# Altium PCB Beagle93.PCBDOC (part 2 of 7) (continued)
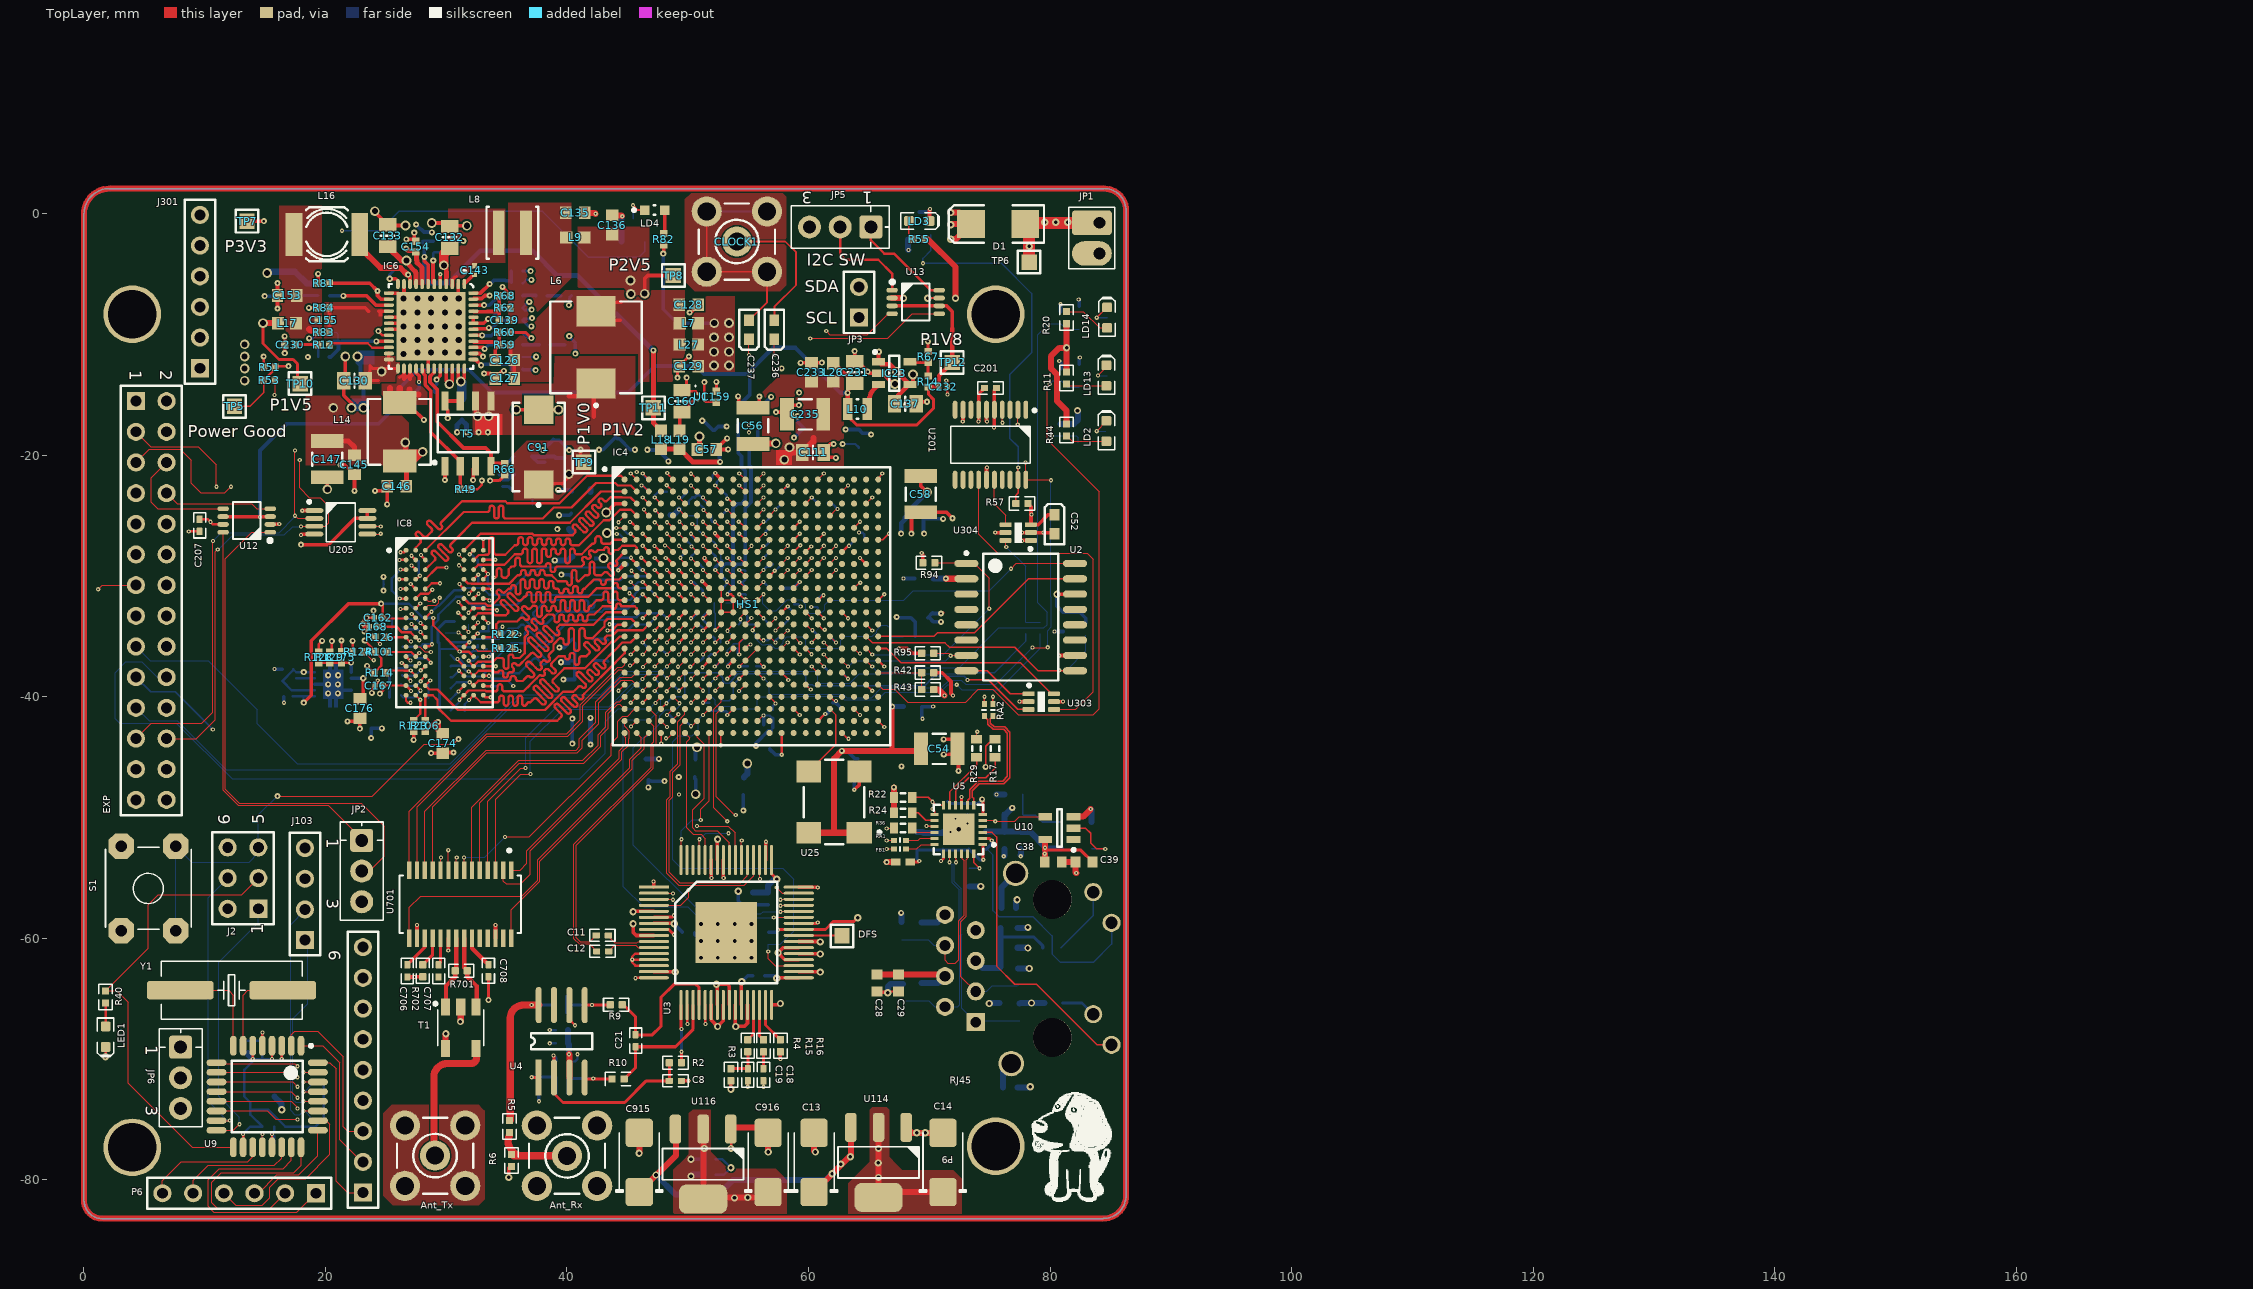
[diagram p0: TopLayer view]
## Footprints (in the part's own frame and the unit in brackets; to place one, negate y for a bottom-side part, rotate by r counter-clockwise, add the part's x,y. Pads: shape width x height; smd on the part's side, far side on the other; paste and mask are expansions set on the pad) (continued)
  oval 0.95x0.396 smd paste-0.051 mask+0.05: 1(-1.95,0.975) 2(-1.95,0.325) 3(-1.95,-0.325) 4(-1.95,-0.975) 5(1.95,-0.975) 6(1.95,-0.325) 7(1.95,0.325) 8(1.95,0.975)
  silkscreen extent -2.08,-1.52 1.14,1.8, body extent -2.05,-1.55 2.05,1.55, height 1.09
TSSOP65P640X120-20N [mm] "TSSOP, 20-Leads, Body 6.6x4.5mm (max), Pitch 0.65mm, IPC Medium Density"
  round 0.508 on Mech14 mask+0.127: 0(0,0)
  oval 1.5x0.4 smd paste-1 mask+0.127: 1(-2.9,2.925) 2(-2.9,2.275) 3(-2.9,1.625) 4(-2.9,0.975) 5(-2.9,0.325) 6(-2.9,-0.325) 7(-2.9,-0.975) 8(-2.9,-1.625) 9(-2.9,-2.275) 10(-2.9,-2.925) 11(2.9,-2.925) 12(2.9,-2.275) 13(2.9,-1.625) 14(2.9,-0.975) 15(2.9,-0.325) 16(2.9,0.325) 17(2.9,0.975) 18(2.9,1.625) 19(2.9,2.275) 20(2.9,2.925)
  silkscreen extent -2.97,-3.3 1.55,3.78, body extent -3.2,-3.25 3.2,3.25, height 1.2
TSSOP-28 [mil]
  rect 58x14 smd mask+2.95: 1(-111,166.34) 2(-111,140.75) 3(-111,115.16) 4(-111,89.57) 5(-111,63.98) 6(-111,38.39) 7(-111,12.8) 8(-111,-12.8) 9(-111,-38.39) 10(-111,-63.98) 11(-111,-89.57) 12(-111,-115.16) 13(-111,-140.75) 14(-111,-166.34) 15(111,-166.34) 16(111,-140.75) 17(111,-115.16) 18(111,-89.57) 19(111,-63.98) 20(111,-38.39) 21(111,-12.8) 22(111,12.8) 23(111,38.39) 24(111,63.98) 25(111,89.57) 26(111,115.16) 27(111,140.75) 28(111,166.34)
  silkscreen extent -180,-198 94,198, body extent -126,-193 126,193, height 47
YZR0004ABBA [mm] "Micro SMD, 4-Leads, Body 1.45x0.96mm, Pitch 0.5mm, NSC Recommended"
  round 0.265 smd paste-0.132 mask+0.05: A1(-0.25,0.25) A2(0.25,0.25) B1(-0.25,-0.25) B2(0.25,-0.25)
  silkscreen extent -0.5,0.84 -0.4,0.94, body extent -0.48,-0.72 0.48,0.72, height 0.68

## Part data
Ant_Rx Ant_Tx CLOCK1: "SMB Straight Connector"
C1 C2 C3 C4 C5 C6 C7 C8 C11 C12 C15 C16 C17 C18 C19 C20 C21 C706 C707 C708: library part Cap, "Capacitor"
C9 C10 C23 C24 C25 C26 C27 C28 C29 C30 C31 C35 C37 C38 C39: "Capacitor (Semiconductor SIM Model)"
C13 C14 C915 C916: library part CAPT_10u_6032_16V, "Capacitor SMD Tantalum 10uF 20% 16V EIA 6032-28"
C22 C36: "Polarized Capacitor (Surface Mount)"
C32 C33 C49 C53 C201 C207: library part CAPC_1u_0402_X5R_6V3_10%, "Capacitor SMD Cer 1uF 10% 16V X5R 0402"
C34: "Capacitor SMD Tantalum 4.7uF 10% 16V 3216-18"
C50 C57 C60 C101 C127 C128 C129 C135 C136 C141 C145 C146 C148 C149 C153 C173 C174 C176 C233 C240: library part CC0603_22UF_6.3V_20%_X5R, "Non-polarised capacitor"
C51 C52 C112 C113 C114 C115 C116 C120 C122 C123 C124 C125 C134 C140 C143 C151 C161 C162 C163 C164 C165 C166 C167 C168 C169 C170 C171 C177 C229 C232 C236 C237: library part CC0201_100NF_6.3V_10%_X5R, "Non-polarised capacitor"
C54 C147 C235: library part CC1210_47UF_10V_10%_X7R, "Non-polarised capacitor"
C55 C61 C62 C63 C64 C65 C68 C69 C70 C73 C74 C75 C78 C79 C80 C83 C84 C85 C88 C89 C90 C95 C97 C98 C99 C100 C102 C103 C104 C105 C106 C107 C108 C117 C118 C119 C121: library part CC0201_470NF_4V_20%_X5R, "Non-polarised capacitor"
C56 C58: library part CC1210_100UF_6.3V_20%_X5R, "Non-polarised capacitor"
C59 C66 C67 C71 C72 C76 C77 C81 C82 C86 C87 C92 C93 C94 C96 C109 C110 C111 C160: library part CC0805_4.7UF_10V_10%_X5R, "Non-polarised capacitor"
C91: library part CTE7343-19_330UF_2.5V_20%_LESR0025_KEMET_T520, "Polarised capacitor"
C126: library part CC0603_56PF_50V_5%_NP0, "Non-polarised capacitor"
C130 C131 C132 C133 C137 C231: library part CC0805_10UF_25V_10%_X5R, "Non-polarised capacitor"
C138 C142: library part CC0402_1NF_50V_10%_X7R, "Non-polarised capacitor"
C139 C155: library part CC0402_68PF_50V_5%_C0G, "Non-polarised capacitor"
C150: library part CC0402_150PF_50V_5%_C0G, "Non-polarised capacitor"
C152: library part CC0603_1.2NF_50V_10%_X7R, "Non-polarised capacitor"
C154 C156 C157 C158 C159 C172: library part CC0402_1UF_16V_10%_X5R, "Non-polarised capacitor"
C175: library part CC0402_10NF_16V_10%_X7R, "Non-polarised capacitor"
C230: library part CC0402_2.2NF_50V_10%_X7R, "Non-polarised capacitor"
D1: "Zener Diode"
DFS TP5 TP6 TP7 TP8 TP9 TP10 TP11 TP12: library part SMD_PAD_1.27X1.27MM, "Test Point"
EXP: "Header, 14-Pin, Dual row"
HS1: "Heat Sink Without Pad"
IC4: library part CMP-0364-00026-3, "Artix-7 FPGA, 285 User I/Os, 4 GTP, 484-Ball BGA, Speed Grade 2, Commercial Grade, Pb-Free"
IC6: "5-Channel Integrated Power Solution with Quad buck Regulators and 200mA LDO Regulator"
IC8: "32 Meg x 16 x 8 Banks DDR3L SDRAM"
IC9: "Sink/Source DDR Termination Regulator"
IC23: "1.5A High Efficiency Step-Down Converter, Adjustable Output Voltage"
J2: "Header, 3-Pin, Dual row"
J103: library part "Header 4", "Header, 4-Pin"
J301: library part Header6P, "Header, 6-pin, FPGA_JTAG"
JP1: library part Header2P, "12V  G"
JP2 JP5 JP6: library part CONN_HEADER_1x3P_0.100in, "Pin Header, THT, Single-row, 2.54mm pitch"
JP3: library part "Header 2", "Header, 2-Pin"
L4 L5 L7 L9 L11 L12 L13 L15 L17 L18 L19 L26 L27 L28: library part IND0603_MURATA_BLM18SG121TN1D, "Inductor"
L6: library part CMP-2000-06180-1, "High Power Density, High Efficiency, Shielded Inductor, 4.7 uH, -40 to 125 degC, RoHS, Tape and Reel"
L8: library part IND_6.8UH_20%_COILCRAFT_XAL4030, "Inductor With Core"
L10: library part IND_2.2UH_20%_WURTH_WE-PMCI_74479276222C, "Inductor"
L14: library part IHLP2020BZER3R3M11, "Inductor With Core"
L16: library part IND_3.3UH_20%_WURTH_WE-PD3_74451033, "Inductor With Core"
LD2 LD3 LD4 LD13 LD14: library part KINGBRIGHT_KPTR-3216CGCK, "LED Green 1A 2C"
LED1: library part LED_SMD_Red_0805_6mcd, "LED 0805 SMD Red 6mcd 621nm"
P6: library part "Header 6", "Header, 6-Pin"
P9: library part "Header 9", "Header, 9-Pin"
R1 R2 R3 R4 R5 R6 R7 R8 R9 R10 R13 R15 R16 R701 R702: library part Res1, "Resistor"
R11 R20 R44 R55 R82: library part R0402_1k_1%_0.0625W_100PPM, "Resistor - 1%"
R12: library part R0402_5K6_1%_0.0625W_100PPM, "Resistor - 1%"
R14 R68 R83: library part R0402_24K_1%_0.0625W_100PPM, "Resistor - 1%"
R17 R18 R21 R22 R24 R25 R26 R27 R28 R29 R32 R34 R35 R36 R37: "Resistor"
R19 R23 R45 R94 R95 R96: library part R0402_2K2_1%_0.0625W_100PPM, "Resistor - 1%"
R30 R31: library part RES_2K2_0805_1%, "Resistor SMD chip 2.2k Ohm 0.125W 1% 0805"
R33: library part RES_10K_0402_1%, "Resistor SMD chip 10k Ohm 0.063W 1% 0402"
R40: library part RES_330R_0402_5%, "Resistor SMD chip 330 Ohm 0.063W 5% 0402"
R42 R43 R52: library part R0402_1K_1%_0.0625W_100PPM, "Resistor - 1%"
R46 R47 R48 R53 R54 R56: library part R0402_0R_JUMPER, "Resistor"
R49 R66: library part R0402_22K_1%_0.0625W_100PPM, "Resistor - 1%"
R51 R72 R127 R128 R129: library part R0402_10K_1%_0.0625W_100PPM, "Resistor - 1%"
R57: library part R0402_300R_1%_0.0625W_100PPM, "Resistor - 1%"
R59 R65 R75 R78 R79: library part R0402_7K5_1%_0.0625W_100PPM, "Resistor - 1%"
R60: library part R0402_2K4_1%_0.0625W_100PPM, "Resistor - 1%"
R61: library part R0402_4K7_1%_0.0625W_100PPM, "Resistor - 1%"
R62 R92: library part R0402_51K_1%_0.0625W_100PPM, "Resistor - 1%"
R63 R70 R81 R122 R123 R126: library part R0402_5K1_1%_0.0625W_100PPM, "Resistor - 1%"
R64 R71: library part R0402_910R_1%_0.0625W_100PPM, "Resistor - 1%"
R67: library part R0402_12K_1%_0.0625W_100PPM, "Resistor - 1%"
R69 R124 R125: library part R0402_240R_1%_0.0625W_100PPM, "Resistor - 1%"
R77: library part R0402_30K_1%_0.0625W_100PPM, "Resistor - 1%"
R84: library part R0402_27K_1%_0.0625W_100PPM, "Resistor - 1%"
R85: library part "43k2 1% 0402", "Resistor - 1%"
R93: library part R0402_36K_1%_0.0625W_100PPM, "Resistor - 1%"
R99 R100 R101 R102 R103 R104 R105 R106 R107 R108 R109 R110 R111 R112 R113 R114 R115 R116 R117 R118 R119 R120 R121: library part R0402_51R_1%_0.0625W_100PPM, "Resistor - 1%"
R191: library part R0402_100R_1%_0.0625W_100PPM, "Resistor - 1%"
RA1 RA2: library part "EXB24V - Res Array x2"
RJ45: library part "Pulse RJ45_ICM_LED_Jack"
S1: "Switch, tact, 5.0mm stem"
T1: library part Balun
T2 T3 T4 T6 T12: "N-CHANNEL MOSFET WITH DIODE"
T5: "20V DUAL N-Channel 2.5V Specified PowerTrench MOSFET"
U1: library part CMP-0062-00810-3, "300mA Linear Voltage Regulator for Digital Applications, 4-pin Micro SMD, Pb-Free"
U2: library part CMP-1329-00021-1, "MirrorBit Flash Non-Volatile Memory CMOS 3.0 Volt Core with Versatile I/O, Serial Peripheral Interface with Multi-I/O, 128 Mbit, 133 MHz, -40 to 85 degC, 16-Pin SO (SO3016), RoHS, Tube"
U3: library part ADS5520, "ADC 12BIT 125MSPS"
U4: "Differential Amplifier"
U5: library part "LAN8720 QFN"
U9: library part ATmega328-AUR, "8-bit AVR Microcontroller, 32KB Flash, 1KB EEPROM, 2KB SRAM, 32-pin TQFP, Industrial Grade (-40°C to 85°C)"
U25: library part CWX815-100.0M, "CWX815-125.0M"
U114 U116: library part LM1117, "Power"
U304: library part N74AUP1T157
U701: "Single 14-Bit TxDAC, 125 Msps, -40 to +85 degC, RW-28, Tube"
Y1: library part Crystal_6MHz_HC49/US, "Resonator Ceramic 8.00 MHz 30ppm"

## Free pads (board coordinates)
  round 0 on Mech16 paste+0 mask+0: 1(32.468,-63.336)
  round 4.775 hole 4: 5(4,-77.3) 5(4,-8.3) 5(75.5,-77.2) 5(75.5,-8.3)

## Via types
v1: diameter 0.35, hole 0.15, TopLayer to BottomLayer, tented both sides, 544 vias
v2: diameter 0.5, hole 0.2, TopLayer to BottomLayer, tented both sides, 183 vias
v3: diameter 0.6, hole 0.3, TopLayer to BottomLayer, tented both sides, 65 vias
v4: diameter 0.8, hole 0.5, TopLayer to BottomLayer, tented both sides, 53 vias
v5: diameter 0.8, hole 0.5, TopLayer to BottomLayer, 25 vias
v6: diameter 0.61, hole 0.305, TopLayer to BottomLayer, 12 vias
v7: diameter 0.508, hole 0.254, TopLayer to BottomLayer, 1 vias
v8: diameter 0.635, hole 0.381, TopLayer to BottomLayer, 1 vias

## Nets (pads, with @x,y where several pads share a name; then routed paths per layer and width w, separated by ;. In a path a pad name is that pad's centre, name@x,y a point inside that pad or via, vN(x,y) a via of type N, cw(c..) or ccw(c..) an arc to the next point about the centre after c; other vN are vias at no path point)
5V: C7.2 C13.1 C17.2 C130.2 C131.2 C132.2 C133.2 D1.1 EXP.2 FR1.1 IC6.4 IC6.9 IC6.23 IC6.24 IC6.25 IC6.35 IC6.36 JP1.1 TP6.1 U4.3 U114.3 | length 45.6
  TopLayer w0.254: C130.2@23.3,-13.8 24.4,-13.8 ; 23.65,-13.05 23.67,-13.03 23.67,-12.566 23.906,-12.802 25.25,-12.802 ; IC6.24@25.25,-12.052 25.25,-12.802 ; IC6.25@26,-12.802 25.25,-12.802
  TopLayer w0.3: IC6.24@25.25,-12.052 IC6.23@25.25,-11.552 ; IC6.35@31,-12.802 31,-13.66 v4(31.214,-13.874) 31.5,-13.588 IC6.36@31.5,-12.802
  TopLayer w0.4: v4(26.713,-3.846) 26.713,-4.039 27.45,-4.776 27.45,-4.85 27.5,-4.9 IC6.9@27.5,-5.802 ; IC6.4@30,-5.802 30,-5.238 30.025,-5.213 30.025,-4.779 30,-4.754 v4@30,-4.369 ; v4(31.214,-13.874) v4@31.214,-13.766
  TopLayer w0.5: C133.2@25.15,-2.7 26.296,-3.846 v4(26.713,-3.846) ; v1(40.172,-69.585) 40.196,-69.609 U4.3@40.196,-71.512 ; C13.1@60.465,-80.998 63.509,-77.954 U114.3@63.509,-75.648
  TopLayer w0.8: v4(29.8,-4.25) 29.8,-3.31 C132.2@30.02,-3.09
  TopLayer w1: TP6.1@78.272,-3.985 v3(78.272,-2.685) 78.272,-0.953 78.049,-0.73 80.472,-0.73 JP1.1@83.465,-0.73
  BottomLayer w0.5: C17.2@40.072,-67.585 C7.2@40.072,-68.685 40.172,-68.785 v1(40.172,-69.585) ; FR1.1@52.529,-81.215 53.759,-79.985 61.472,-79.985 v3(61.972,-79.485)
  BottomLayer w0.8: C131.2@31.29,-15.26 v4@31.29,-13.95
  other v3: 62.672,-78.685 63.472,-78.085 79.572,-0.685 80.472,-0.685 81.472,-0.685
  other v4: 24.65,-13.05
A0: P6.1 U9.23 | length 20.6
  TopLayer w0.1: U9.23@17.172,-77.285 17.172,-78.385 16.483,-79.074 11.183,-79.074 10.272,-79.985 10.272,-82.185 10.761,-82.674 17.626,-82.674 P6.1@19.2,-81.1
A1: P6.2 U9.24 | length 18
  TopLayer w0.1: P6.2@16.66,-81.1 15.375,-82.385 11.072,-82.385 10.572,-81.885 10.572,-80.185 11.372,-79.385 17.372,-79.385 17.972,-78.785 U9.24@17.972,-77.285
A2: P6.3 U9.25 | length 8.6
  TopLayer w0.1: P6.3@14.12,-81.1 14.457,-81.1 15.972,-79.585 17.772,-79.585 19.372,-77.985 U9.25@19.372,-75.885
A3: P6.4 U9.26 | length 15.1
  TopLayer w0.1: P6.4@11.58,-81.1 12.58,-82.1 14.757,-82.1 15.372,-81.485 15.372,-80.585 16.072,-79.885 18.372,-79.885 20.372,-77.885 20.372,-75.385 20.072,-75.085 U9.26@19.372,-75.085
A4: J103.2 R31.1 U9.27 | length 20.6
  TopLayer w0.1: v1(18.172,-74.285) U9.27@19.372,-74.285
  BottomLayer w0.1: J103.2@18.301,-57.593 18.301,-57.656 17.108,-58.849 17.108,-74.221 17.472,-74.585 17.872,-74.585 v1(18.172,-74.285) 18.272,-74.285 R31.1@18.872,-74.885
A5: J103.1 R30.1 U9.28 | length 16.9
  TopLayer w0.1: v1(18.172,-73.485) U9.28@19.372,-73.485
  BottomLayer w0.1: J103.1@18.301,-60.133 18.547,-60.133 18.547,-65.41 17.297,-66.66 17.297,-73.34 17.517,-73.56 18.097,-73.56 v1(18.172,-73.485) R30.1@18.872,-73.485
ADC3.3VA: C3.2 C4.2 C5.2 C6.2 C916.1 R3.1 U3.5 U3.7 U3.9 U3.15 U3.22 U3.24 U3.26 U3.28 U3.33 U3.34 U3.37 U3.39 U116.2 U116.4 | length 41.8
  TopLayer w0.3: v3(45.472,-57.785) 45.505,-57.752 U3.5@47.195,-57.752 ; v3@45.505,-58.752 v3(45.472,-58.785) 45.472,-59.485 45.739,-59.752 U3.9@47.195,-59.752 ; U3.15@47.195,-62.752 48.939,-62.752 v3(48.972,-62.785) ; U3.7@47.195,-58.752 48.839,-58.752 v3(48.872,-58.785) ; U3.22@51.945,-65.502 51.945,-66.758 v3(52.472,-67.285) 52.945,-66.812 U3.24@52.945,-65.502 ; v3(53.572,-72.485) R3.1@53.572,-71.785 ; U3.26@53.945,-65.502 53.945,-67.258 54.699,-67.258 54.945,-67.012 U3.28@54.945,-65.502 ; v3(57.372,-63.285) 57.405,-63.252 U3.33@59.195,-63.252 ; U3.34@59.195,-62.752 60.939,-62.752 v3(60.972,-62.785) ; U3.37@59.195,-61.252 60.939,-61.252 v3(60.972,-61.285) ; U3.39@59.195,-60.252 60.939,-60.252 v3(60.972,-60.285)
  TopLayer w0.5: U116.2@51.321,-75.648 51.321,-81.448 v3(54.972,-81.448) 56.205,-81.448 C916.1@56.655,-80.998
  BottomLayer w0.3: v3(48.872,-58.785) 49.551,-59.464 C5.2@49.551,-59.498 ; v3(50.272,-78.285) 51.312,-78.285 C4.2@51.321,-78.294 ; C6.2@56.372,-63.085 57.172,-63.085 v3(57.372,-63.285)
  BottomLayer w0.5: v3(50.272,-79.685) 50.393,-79.564 51.321,-79.564 C4.2@51.321,-78.294 51.321,-77.436 v3(51.372,-77.385)
  other v3: 53.872,-81.485 53.972,-67.285
ADC_3.3D: C1.2 C2.2 C14.1 R1.2 U3.41 U3.49 U3.58 U114.2 U114.4 | length 25.5
  TopLayer w0.095: v1(57.472,-59.285) v1@57.505,-59.252
  TopLayer w0.254: U3.58@52.445,-53.502 52.445,-51.812 v3(52.472,-51.785) ; U3.49@56.945,-53.502 56.945,-54.658 v3(57.372,-55.085) ; v1@57.505,-59.252 U3.41@59.195,-59.252 61.405,-59.252 62.072,-58.585 63.772,-58.585 v3(64.072,-58.285)
  TopLayer w0.5: U114.2@65.799,-75.648 v3(65.799,-77.385) v3(65.799,-79.785) U114.4@65.799,-81.448 66.249,-80.998 C14.1@71.133,-80.998
  BottomLayer w0.254: R1.2@56.672,-59.485 57.272,-59.485 v1(57.472,-59.285)
  BottomLayer w0.5: C2.2@55.385,-56.204 C1.2@56.655,-56.204 56.655,-55.602 57.172,-55.085 v3(57.372,-55.085)
  other v3: 65.772,-78.585
ADC_3V3A: U701.24
ADC_3V3D: U701.27
ADC_CLK_N: C12.2 U3.11 | length 4
  TopLayer w0.1: C12.2@43.451,-61.062 43.961,-60.552 45.695,-60.552 45.895,-60.752 U3.11@47.195,-60.752
ADC_CLK_P: C11.1 U3.10 | length 4.1
  TopLayer w0.1: C11.1@43.426,-59.741 43.426,-59.822 43.967,-60.363 45.784,-60.363 45.895,-60.252 U3.10@47.195,-60.252
ADC_D0: IC4.W5 U3.44 | length 31
  TopLayer w0.095: IC4.W5@48.772,-39.985 48.799,-39.985 v1(49.327,-40.513) ; v1(57.672,-57.785) 57.638,-57.785 57.605,-57.752 U3.44@59.195,-57.752
  BottomLayer w0.095: v1(49.327,-40.513) 49.327,-40.742 48.997,-41.072 48.158,-41.072 47.673,-41.558 47.673,-42.228 46.65,-43.25 46.447,-43.25 45.488,-44.209 45.488,-52.261 51.196,-57.969 56.056,-57.969 56.24,-57.785 v1(57.672,-57.785)
ADC_D1: IC4.U6 U3.45 | length 32
  TopLayer w0.095: v1(49.272,-38.485) IC4.U6@49.772,-37.985 ; v1(57.672,-57.285) 57.705,-57.252 U3.45@59.195,-57.252
  SignalLayer1 w0.095: v1(49.272,-38.485) 48.59,-39.167 48.59,-39.276 48.645,-39.331 48.645,-39.665 48.59,-39.719 48.59,-40.342 48.607,-40.359 48.607,-40.667 48.59,-40.684 48.59,-41.276 48.645,-41.331 48.645,-41.639 48.59,-41.694 48.59,-42.276 48.645,-42.331 48.645,-42.639 48.59,-42.694 48.59,-55.103 50.072,-56.585 56.472,-56.585 56.772,-56.285 58.472,-56.285 58.772,-56.585 58.772,-57.085 58.572,-57.285 v1(57.672,-57.285)
ADC_D2: IC4.V5 U3.46 | length 28.9
  TopLayer w0.095: v1(48.26,-39.522) 48.26,-39.497 IC4.V5@48.772,-38.985 ; v1(57.672,-56.785) 57.705,-56.752 U3.46@59.195,-56.752
  SignalLayer1 w0.095: v1(48.26,-39.522) 48.235,-39.522 47.772,-39.985 47.772,-43.285 47.163,-43.894 47.163,-45.323 47.172,-45.332 47.172,-45.585 47.472,-45.885 47.472,-54.385 49.872,-56.785 v1(57.672,-56.785)
ADC_D3: IC4.R6 U3.47 | length 29.1
  TopLayer w0.095: v1(49.272,-36.485) IC4.R6@49.772,-35.985 ; v1(57.372,-55.785) 57.839,-56.252 U3.47@59.195,-56.252
  SignalLayer1 w0.095: v1(49.272,-36.485) 49.772,-36.985 50.472,-36.985 50.859,-37.372 50.853,-37.378 50.853,-42.391 49.606,-43.637 49.606,-44.755 51.872,-47.021 51.872,-54.085 52.072,-54.285 55.772,-54.285 57.272,-55.785 v1(57.372,-55.785)
ADC_D4: IC4.T6 U3.51 | length 27.1
  TopLayer w0.095: v1(49.197,-37.496) 49.261,-37.496 IC4.T6@49.772,-36.985 ; U3.51@55.945,-53.502 55.945,-55.058 v1(55.972,-55.085)
  SignalLayer1 w0.095: v1(49.197,-37.496) 49.814,-38.113 50.426,-38.113 50.681,-38.367 50.681,-41.394 49.403,-42.672 49.403,-44.794 51.445,-46.835 51.445,-55.058 51.772,-55.385 55.672,-55.385 v1(55.972,-55.085)
ADC_D5: IC4.Y6 U3.52 | length 23.4
  TopLayer w0.095: IC4.Y6@49.772,-40.985 49.772,-41.439 49.158,-42.052 49.158,-45.53 48.53,-46.159 48.53,-48.234 48.272,-48.492 48.272,-54.585 49.272,-55.585 54.672,-55.585 55.445,-54.812 U3.52@55.445,-53.502
ADC_D6: IC4.AA6 U3.53 | length 21.6
  TopLayer w0.095: IC4.AA6@49.62,-42.007 49.62,-41.985 IC4.AA6@49.772,-41.985 49.378,-42.379 49.378,-45.622 48.75,-46.25 48.75,-48.274 48.456,-48.568 48.456,-54.509 49.332,-55.385 54.372,-55.385 54.945,-54.812 U3.53@54.945,-53.502
ADC_D7: IC4.V7 U3.54 | length 18.3
  TopLayer w0.095: IC4.V7@50.772,-38.985 v1(51.272,-39.485) ; U3.54@54.445,-53.502 54.445,-51.912 v1(54.472,-51.885)
  SignalLayer1 w0.095: v1(51.272,-39.485) 51.772,-39.985 51.772,-41.725 49.886,-43.612 49.886,-44.792 52.043,-46.95 52.043,-50.556 53.372,-51.885 v1(54.472,-51.885)
ADC_D8: IC4.W7 U3.55 | length 18.3
  TopLayer w0.095: v1(50.272,-40.485) IC4.W7@50.772,-39.985 ; v1(50.772,-50.685) 53.372,-50.685 53.945,-51.258 U3.55@53.945,-53.502
  SignalLayer1 w0.095: v1(50.272,-40.485) 49.843,-40.914 49.843,-41.99 49.232,-42.601 49.232,-44.865 50.214,-45.847 50.214,-46.127 51.248,-47.16 51.248,-48.648 50.472,-49.423 50.472,-50.385 v1(50.772,-50.685)
ADC_D9: IC4.AB7 U3.56 | length 13.5
  TopLayer w0.095: IC4.AB7@50.772,-42.985 50.772,-43.331 51.358,-43.918 51.358,-48.399 50.4,-49.358 50.4,-50.839 50.618,-51.058 52.448,-51.058 53.445,-52.054 U3.56@53.445,-53.502
ADC_D10: IC4.AB6 U3.60 | length 11.8
  TopLayer w0.095: IC4.AB6@49.772,-42.985 50.162,-43.375 50.162,-43.475 49.925,-43.712 49.925,-50.838 50.472,-51.385 51.099,-51.385 51.445,-51.731 U3.60@51.445,-53.502
ADC_D11: IC4.V9 U3.61 | length 19.1
  TopLayer w0.095: U3.61@50.945,-53.502 50.945,-51.812 v1(50.972,-51.785) ; v1(52.272,-39.485) IC4.V9@52.772,-38.985
  SignalLayer1 w0.095: v1(52.272,-39.485) 52.272,-41.467 50.057,-43.683 50.057,-44.721 52.214,-46.879 52.214,-50.127 v1(53.372,-51.285)
  BottomLayer w0.095: v1(50.972,-51.785) 51.472,-51.285 v1(53.372,-51.285)
ADC_D12: IC4.V8
ADC_D13: IC4.AA8
ADC_OVR: IC4.AB8 U3.64 | length 11.9
  TopLayer w0.095: U3.64@49.445,-53.502 49.445,-51.812 v1(49.472,-51.785) ; v1(51.072,-50.185) 51.072,-49.285 51.772,-48.585 51.772,-45.537 IC4.AB8@51.772,-42.985
  BottomLayer w0.095: v1(49.472,-51.785) 49.472,-51.085 50.372,-50.185 v1(51.072,-50.185)
ADC_RESET: IC4.Y8 R1.1 U3.35 | length 35.9
  TopLayer w0.095: v1(51.272,-41.485) IC4.Y8@51.772,-40.985 ; v1(56.672,-61.085) 56.672,-61.685 57.239,-62.252 U3.35@59.195,-62.252
  BottomLayer w0.095: v1(51.272,-41.485) 50.882,-41.875 50.882,-42.713 50.375,-43.22 49.25,-43.22 48.75,-43.72 48.75,-53.463 49.472,-54.185 57.872,-54.185 58.772,-55.085 58.772,-59.385 57.672,-60.485 R1.1@56.672,-60.485 v1(56.672,-61.085)
ADC_SCLK: IC4.W9 U3.2 | length 34.2
  TopLayer w0.095: IC4.W9@52.772,-39.985 52.772,-40.385 52.158,-40.999 52.158,-43.73 52.135,-43.753 52.135,-49.171 v1@53.311,-50.347
  TopLayer w0.1: U3.2@47.195,-56.252 48.739,-56.252 v1(48.772,-56.285)
  SignalLayer1 w0.1: v1(48.772,-56.285) 48.872,-56.285 49.572,-56.985 55.272,-56.985 56.972,-58.685 58.072,-58.685 58.972,-57.785 58.972,-55.855 54.627,-51.51 54.497,-51.51 v1(53.272,-50.285)
ADC_SDATA: IC4.Y9 U3.3 | length 33.1
  TopLayer w0.095: U3.3@47.195,-56.752 48.739,-56.752 v1(48.772,-56.785) ; IC4.Y9@52.772,-40.985 52.355,-41.402 52.355,-48.268 53.922,-49.835 v1@53.937,-49.85
  SignalLayer1 w0.095: v1(48.772,-56.785) 49.126,-56.785 49.5,-57.159 55.2,-57.159 56.9,-58.859 58.144,-58.859 59.146,-57.857 59.146,-55.783 53.972,-50.609 v1(53.972,-49.785)
ADC_SEN: IC4.U7 U3.4 | length 22.9
  TopLayer w0.095: U3.4@47.195,-57.252 49.405,-57.252 50.072,-56.585 v1(50.072,-55.985) ; v1(50.272,-38.485) IC4.U7@50.772,-37.985
  SignalLayer1 w0.095: v1(50.072,-55.985) 50.043,-55.956 50.043,-45.918 49.022,-44.897 49.022,-42.512 49.672,-41.862 49.672,-40.722 49.699,-40.695 49.699,-39.778 49.672,-39.751 49.672,-39.127 50.272,-38.527 v1(50.272,-38.485)
ADCCLK_N: C12.1 IC4.AA3 | length 23.2
  TopLayer w0.1: C12.1@42.451,-61.062 41.841,-60.451 41.019,-60.451 40.578,-60.01 40.578,-52.195 46.965,-45.808 46.965,-43.905 47.182,-43.688 47.182,-42.418 46.772,-42.008 IC4.AA3@46.772,-41.985
ADCCLK_P: C11.2 IC4.Y3 | length 24
  TopLayer w0.1: C11.2@42.426,-59.741 41.904,-60.262 41.097,-60.262 40.767,-59.932 40.767,-52.273 47.154,-45.887 47.154,-44.094 47.371,-43.877 47.371,-41.554 46.802,-40.985 IC4.Y3@46.772,-40.985
AVR_nRESET: IC4.T3 J2.5 R33.2 S1.1 U9.29 | length 88.2
  TopLayer w0.1: v2@16.002,-48.209 v2(16.027,-48.209) 23.876,-48.209 28.169,-43.917 30.582,-43.917 v2(31.013,-43.485) ; v1(18.172,-72.685) U9.29@19.372,-72.685 ; v1(46.304,-37.516) 46.304,-37.465 46.772,-36.997 IC4.T3@46.772,-36.985
  MidLayer2 w0.1: S1.1@7.588,-59.2 7.457,-59.2 5.672,-60.985 5.672,-74.185 6.972,-75.485 9.972,-75.485 12.272,-73.185 17.072,-73.185 17.572,-72.685 v1(18.172,-72.685) ; v2(31.013,-43.485) 31.699,-42.799 41.783,-42.799 44.933,-39.649 44.933,-39.116 46.304,-37.744 v1(46.304,-37.516)
  BottomLayer w0.1: S1.1@7.588,-59.348 S1.1@7.588,-52.348 8.925,-53.685 13.672,-53.685 14.44,-52.917 J2.5@14.44,-52.46 14.44,-49.771 v2@16.002,-48.209 ; v1(18.172,-72.685) 18.272,-72.685 R33.2@18.872,-72.085
AVR_RXD: JP6.1 U9.30 | length 17.6
  TopLayer w0.1: v1(18.172,-71.885) U9.30@19.372,-71.885
  MidLayer2 w0.1: JP6.1@8,-69 6.372,-70.628 6.372,-72.385 6.78,-72.793 16.265,-72.793 17.172,-71.885 v1(18.172,-71.885)
AVR_TXD: JP6.2 U9.31 | length 11.6
  TopLayer w0.1: v1(18.172,-71.085) U9.31@19.372,-71.085
  MidLayer2 w0.1: JP6.2@8,-71.54 16.517,-71.54 16.972,-71.085 v1(18.172,-71.085)
CFG_CCLK: IC4.L12 U2.16 | length 30.7
  TopLayer w0.1: IC4.L12@55.772,-31.985 v1(56.272,-31.485) ; v1(76.772,-29.385) 77.217,-28.94 U2.16@82.072,-28.94
  BottomLayer w0.1: v1(56.272,-31.485) 56.2,-31.557 56.2,-32.277 56.783,-32.86 57.349,-32.86 58.248,-31.961 59.386,-31.961 59.775,-32.35 59.775,-32.8 60.05,-33.075 61.025,-33.075 61.325,-32.775 61.325,-32.35 61.7,-31.975 67.882,-31.975 68.672,-31.185 74.972,-31.185 v1(76.772,-29.385)
CFG_D02: IC4.P21 R96.1 U2.9 | length 22.6
  TopLayer w0.125: IC4.P21@64.772,-34.985 65.314,-35.527 71.314,-35.527 71.672,-35.885 77.072,-35.885 79.017,-37.83 U2.9@82.072,-37.83
  BottomLayer w0.1: v1(80.772,-37.785) 81.372,-37.785 82.972,-36.185 R96.1@82.972,-34.885
CFG_D03: IC4.R21 R94.1 U2.1 | length 19.5
  TopLayer w0.1: IC4.R21@64.772,-35.985 v1(65.272,-36.485) ; R94.1@70.472,-28.885 73.017,-28.885 U2.1@73.072,-28.94 73.727,-28.94 74.972,-30.185 v1(74.972,-32.685)
  BottomLayer w0.1: v1(65.272,-36.485) 71.172,-36.485 v1(74.972,-32.685)
CFG_DIN: IC4.R22 U303.6 | length 16.1
  TopLayer w0.125: IC4.R22@65.772,-35.985 66.472,-35.985 67.672,-37.185 77.572,-37.185 80.122,-39.735 U303.6@80.322,-39.735
CFG_FCS: IC4.T19 R95.1 U2.7 | length 12.4
  TopLayer w0.1: IC4.T19@62.772,-36.985 v1(63.272,-37.485) ; R95.1@70.372,-36.385 71.622,-36.385 71.797,-36.56 U2.7@73.072,-36.56
  BottomLayer w0.1: v1(63.272,-37.485) 63.772,-36.985 71.372,-36.985 v1(71.772,-36.585)
CFG_MOSI: IC4.P22 U2.15 | length 18.3
  TopLayer w0.125: IC4.P22@65.772,-34.985 70.372,-34.985 70.672,-34.685 73.745,-34.685 78.22,-30.21 U2.15@82.072,-30.21
CFG_PUDC_B: IC4.U22 R42.1 R43.2 | length 5
  TopLayer w0.1: IC4.U22@65.772,-37.985 R42.1@69.372,-37.985 R43.2@69.372,-39.385
CFG_TCK: IC4.V12
CFG_TDI: IC4.R13
CFG_TDO: IC4.U13
CFG_TMS: IC4.T13
CK_FPGAIO_N: IC4.Y19
CK_FPGAIO_P: IC4.Y18 U25.3 | length 6.3
  TopLayer w0.127: U25.3@60.016,-46.163 62.272,-43.907 62.272,-41.485 IC4.Y18@61.772,-40.985
CK_GTP_125_N: C237.1 CLOCK1.2 | length 19.6
  TopLayer w0.15: CLOCK1.2@51.572,0.215 CLOCK1.2@51.572,-4.785 CLOCK1.2@56.572,-4.785 56.572,-7.295 C237.1@55.072,-8.795
  BottomLayer w0.15: CLOCK1.2@51.572,0.215 CLOCK1.2@56.572,0.215
CK_GTP_125_P: C236.1 CLOCK1.1 | length 11.6
  TopLayer w0.15: CLOCK1.1@54.072,-2.285 58.072,-2.285 58.152,-2.365 58.163,-2.365 58.972,-3.174 58.972,-5.885 57.172,-7.685 C236.1@57.172,-8.795
CKC_GTP_125_N: C237.2 IC4.E10 | length 17.7
  TopLayer w0.095: v1(53.272,-25.485) IC4.E10@53.772,-25.985 ; v1(55.072,-11.685) C237.2@55.072,-10.375
  SignalLayer1 w0.1: v1(53.272,-25.485) 53.797,-24.96 53.797,-19.689 53.8,-19.686 53.8,-19.314 53.797,-19.311 53.797,-16.949 55.072,-15.674 55.072,-13.674 56.072,-12.674 56.072,-12.085 55.672,-11.685 v1(55.072,-11.685)
CKC_GTP_125_P: C236.2 IC4.F10 | length 19.2
  TopLayer w0.095: v1(53.272,-26.485) IC4.F10@53.772,-26.985 ; v1(57.172,-11.685) C236.2@57.172,-10.375
  SignalLayer1 w0.1: v1(53.272,-26.485) 53.773,-25.984 53.773,-25.295 54.017,-25.051 54.017,-23.27 54.647,-22.64 54.647,-21.11 54.128,-20.591 54.128,-16.929 55.292,-15.765 55.292,-13.765 56.292,-12.765 56.292,-12.065 56.672,-11.685 v1(57.172,-11.685)
CLKREC_N: IC4.V20
CLKREC_P: IC4.U20